# Altium PCB EDA-03518-V3-0_pcb.pcbdoc (part 13 of 14) (continued)
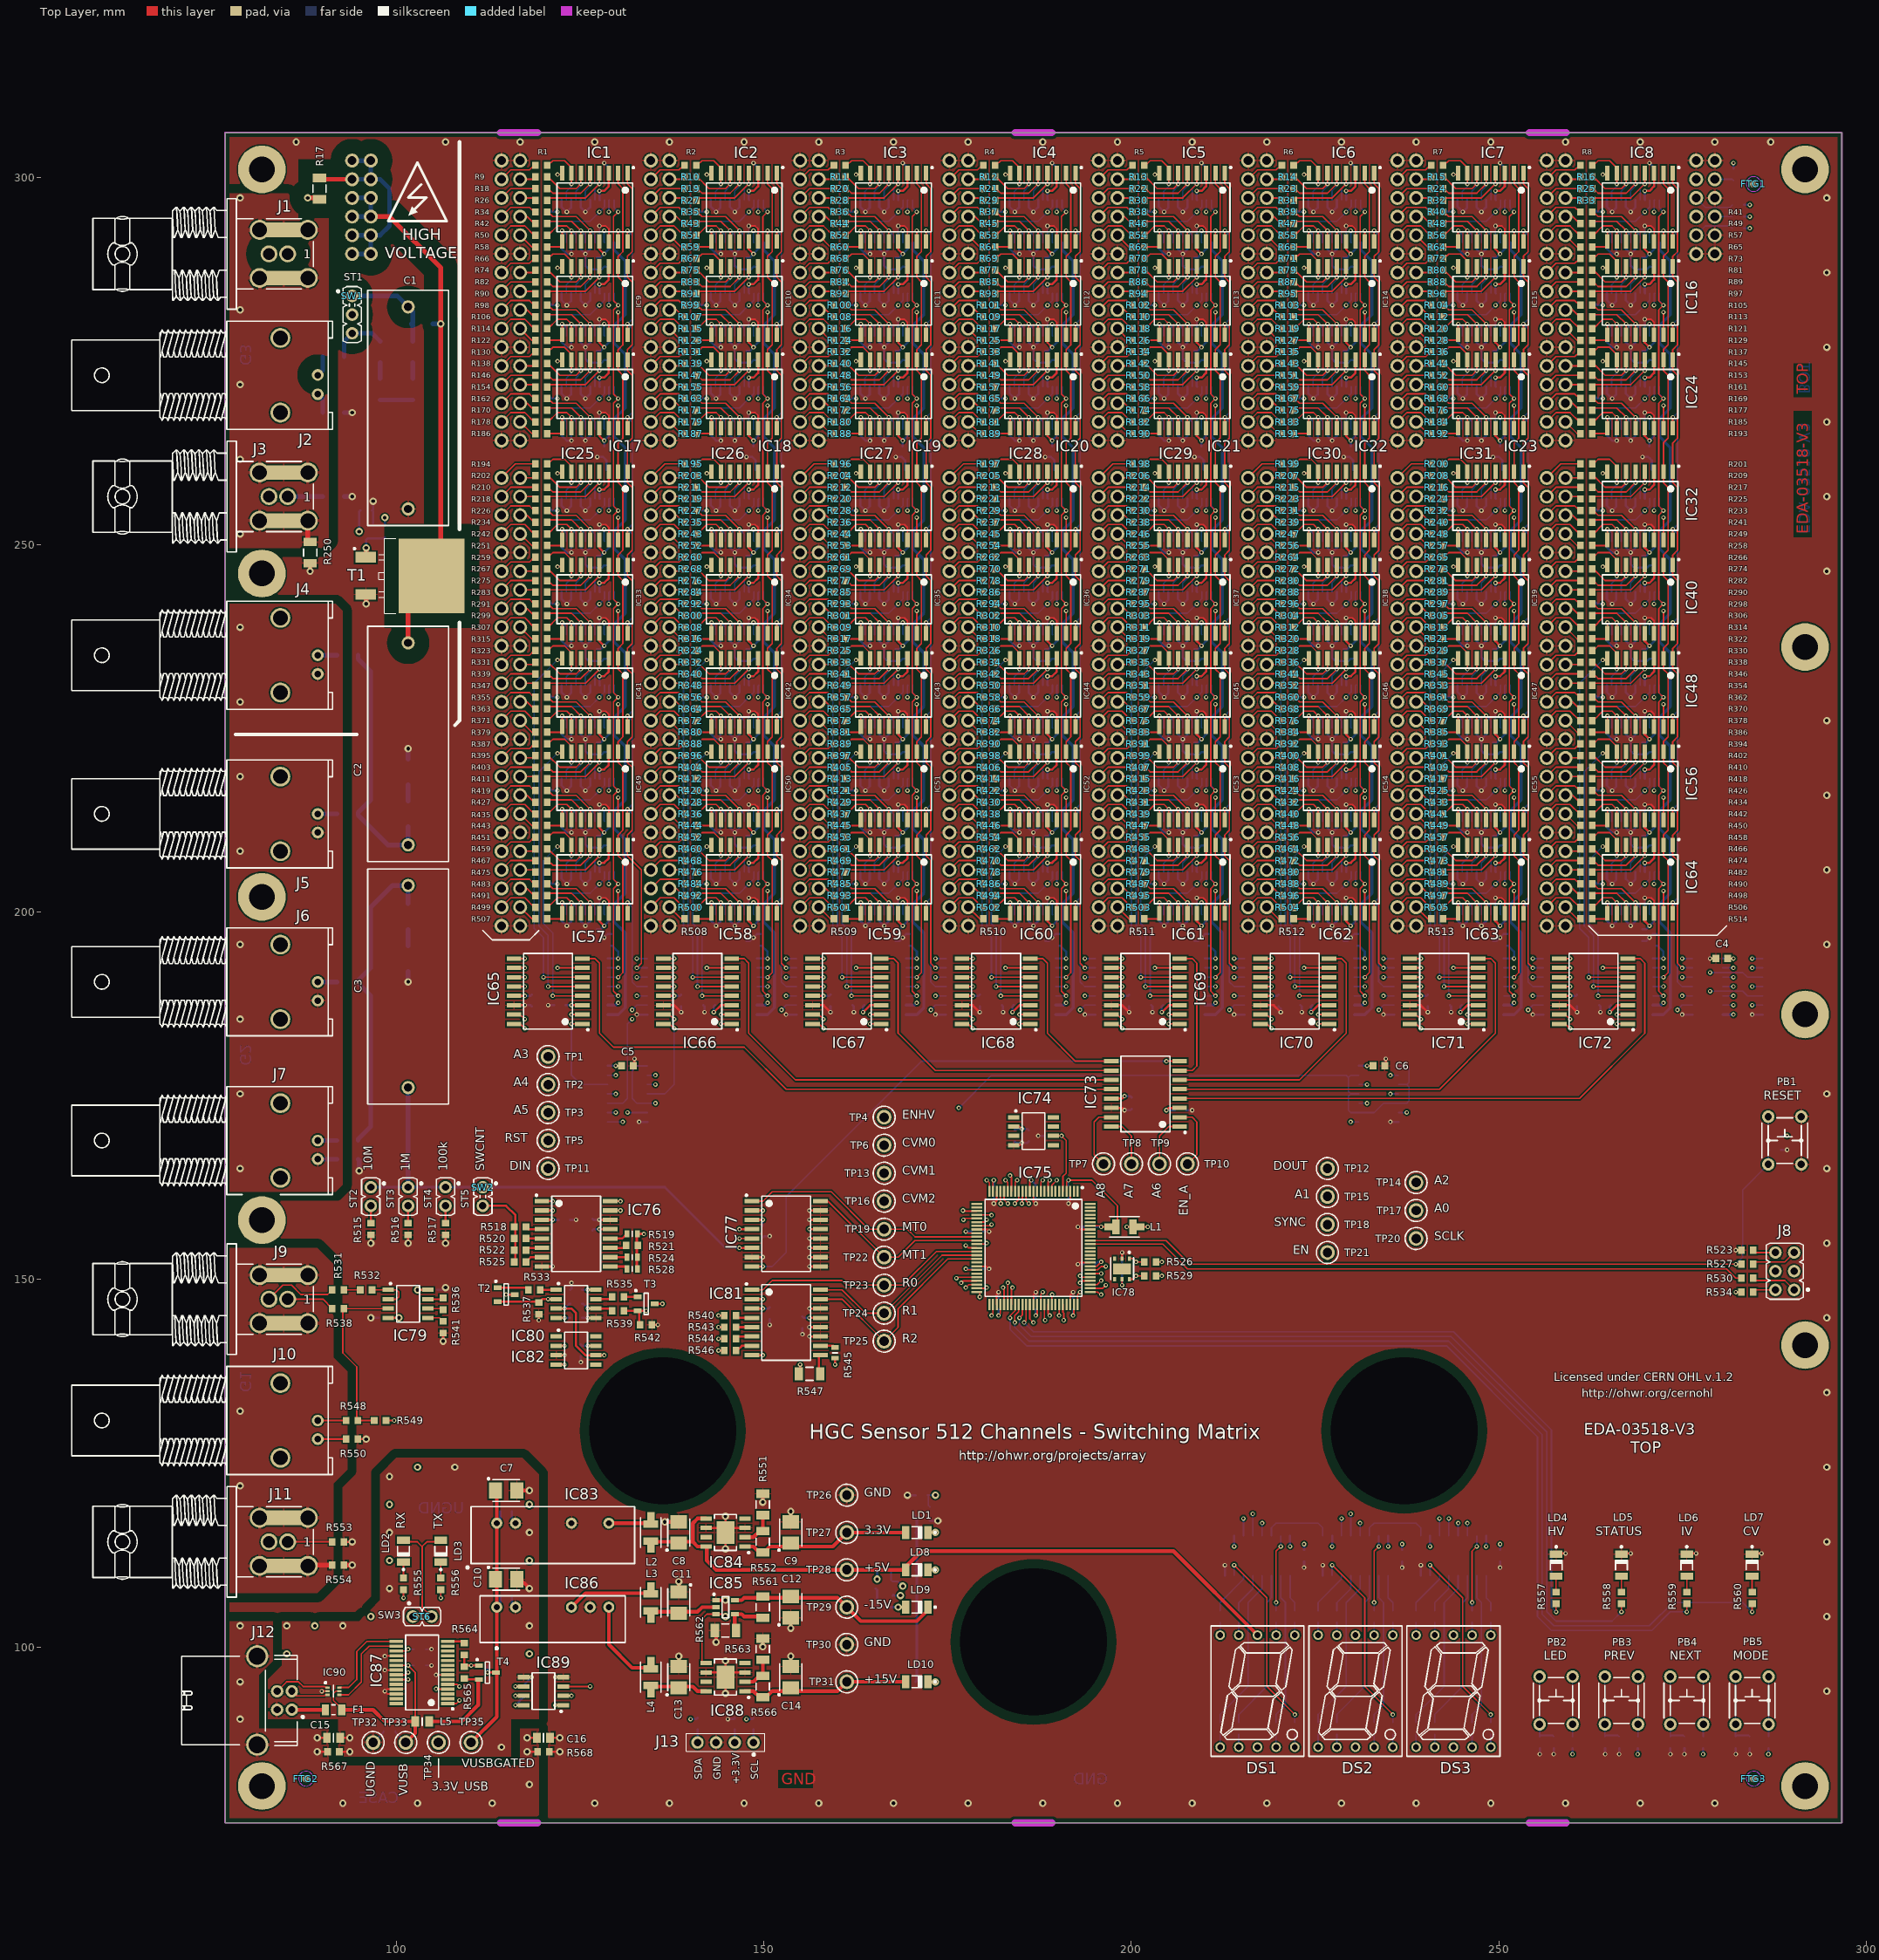
[diagram p0: Top Layer view]
## Nets (pads, with @x,y where several pads share a name; then routed paths per layer and width w, separated by ;. In a path a pad name is that pad's centre, name@x,y a point inside that pad or via, vN(x,y) a via of type N, cw(c..) or ccw(c..) an arc to the next point about the centre after c; other vN are vias at no path point) (continued)
SCLKB_1: IC98.1 IC106.1 IC114.1 IC122.1 IC130.1 IC138.1 IC146.1 IC154.1 IC163.8 | length 116.2
  Bottom Layer w0.406: IC163.8@128.745,186.055 130.175,186.055 131.127,187.007 131.127,197.167 129.622,198.673 IC154.1@129.622,199.665 129.622,201.06 131.127,202.565 131.127,209.867 129.622,211.373 IC146.1@129.622,212.365 129.622,213.76 131.127,215.265 131.127,222.567 129.622,224.073 IC138.1@129.622,225.065 129.622,226.46 131.127,227.965 131.127,235.267 129.622,236.773 IC130.1@129.622,237.765 129.622,239.16 131.127,240.665 131.127,247.968 129.622,249.473 IC122.1@129.622,250.465 129.622,251.86 131.127,253.365 131.127,263.207 129.622,264.713 IC114.1@129.622,265.705 129.622,267.1 131.127,268.605 131.127,275.907 129.622,277.413 IC106.1@129.622,278.405 129.622,279.8 131.127,281.305 131.127,288.608 129.622,290.113 IC98.1@129.622,291.105
SCLKB_2: IC97.1 IC105.1 IC113.1 IC121.1 IC129.1 IC137.1 IC145.1 IC153.1 IC162.8 | length 116.2
  Bottom Layer w0.406: IC162.8@149.065,186.055 150.495,186.055 151.447,187.007 151.447,197.167 149.942,198.673 IC153.1@149.942,199.665 149.942,201.06 151.447,202.565 151.447,209.867 149.942,211.373 IC145.1@149.942,212.365 149.942,213.76 151.447,215.265 151.447,222.567 149.942,224.073 IC137.1@149.942,225.065 149.942,226.46 151.447,227.965 151.447,235.267 149.942,236.773 IC129.1@149.942,237.765 149.942,239.16 151.447,240.665 151.447,247.968 149.942,249.473 IC121.1@149.942,250.465 149.942,251.86 151.447,253.365 151.447,263.207 149.942,264.713 IC113.1@149.942,265.705 149.942,267.1 151.447,268.605 151.447,275.907 149.942,277.413 IC105.1@149.942,278.405 149.942,279.8 151.447,281.305 151.447,288.608 149.942,290.113 IC97.1@149.942,291.105
SCLKB_3: IC96.1 IC104.1 IC112.1 IC120.1 IC128.1 IC136.1 IC144.1 IC152.1 IC161.8 | length 116.2
  Bottom Layer w0.406: IC161.8@169.385,186.055 170.815,186.055 171.767,187.007 171.767,197.167 170.262,198.673 IC152.1@170.262,199.665 170.262,201.06 171.767,202.565 171.767,209.867 170.262,211.373 IC144.1@170.262,212.365 170.262,213.76 171.767,215.265 171.767,222.567 170.262,224.073 IC136.1@170.262,225.065 170.262,226.46 171.767,227.965 171.767,235.267 170.262,236.773 IC128.1@170.262,237.765 170.262,239.16 171.767,240.665 171.767,247.968 170.262,249.473 IC120.1@170.262,250.465 170.262,251.86 171.767,253.365 171.767,263.207 170.262,264.713 IC112.1@170.262,265.705 170.262,267.1 171.767,268.605 171.767,275.907 170.262,277.413 IC104.1@170.262,278.405 170.262,279.8 171.767,281.305 171.767,288.608 170.262,290.113 IC96.1@170.262,291.105
SCLKB_4: IC95.1 IC103.1 IC111.1 IC119.1 IC127.1 IC135.1 IC143.1 IC151.1 IC160.8 | length 116.2
  Bottom Layer w0.406: IC160.8@189.705,186.055 191.135,186.055 192.088,187.007 192.088,197.167 190.582,198.673 IC151.1@190.582,199.665 190.582,201.06 192.088,202.565 192.088,209.867 190.582,211.373 IC143.1@190.582,212.365 190.582,213.76 192.088,215.265 192.088,222.567 190.582,224.073 IC135.1@190.582,225.065 190.582,226.46 192.088,227.965 192.088,235.267 190.582,236.773 IC127.1@190.582,237.765 190.582,239.16 192.088,240.665 192.088,247.968 190.582,249.473 IC119.1@190.582,250.465 190.582,251.86 192.088,253.365 192.088,263.207 190.582,264.713 IC111.1@190.582,265.705 190.582,267.1 192.088,268.605 192.088,275.907 190.582,277.413 IC103.1@190.582,278.405 190.582,279.8 192.088,281.305 192.088,288.608 190.582,290.113 IC95.1@190.582,291.105
SCLKB_5: IC94.1 IC102.1 IC110.1 IC118.1 IC126.1 IC134.1 IC142.1 IC150.1 IC159.8 | length 116.2
  Bottom Layer w0.406: IC159.8@210.025,186.055 211.455,186.055 212.407,187.007 212.407,197.167 210.902,198.673 IC150.1@210.902,199.665 210.902,201.06 212.407,202.565 212.407,209.867 210.902,211.373 IC142.1@210.902,212.365 210.902,213.76 212.407,215.265 212.407,222.567 210.902,224.073 IC134.1@210.902,225.065 210.902,226.46 212.407,227.965 212.407,235.267 210.902,236.773 IC126.1@210.902,237.765 210.902,239.16 212.407,240.665 212.407,247.968 210.902,249.473 IC118.1@210.902,250.465 210.902,251.86 212.407,253.365 212.407,263.207 210.902,264.713 IC110.1@210.902,265.705 210.902,267.1 212.407,268.605 212.407,275.907 210.902,277.413 IC102.1@210.902,278.405 210.902,279.8 212.407,281.305 212.407,288.608 210.902,290.113 IC94.1@210.902,291.105
SCLKB_6: IC93.1 IC101.1 IC109.1 IC117.1 IC125.1 IC133.1 IC141.1 IC149.1 IC158.8 | length 116.2
  Bottom Layer w0.406: IC158.8@230.345,186.055 231.775,186.055 232.727,187.007 232.727,197.167 231.222,198.673 IC149.1@231.222,199.665 231.222,201.06 232.727,202.565 232.727,209.867 231.222,211.373 IC141.1@231.222,212.365 231.222,213.76 232.727,215.265 232.727,222.567 231.222,224.073 IC133.1@231.222,225.065 231.222,226.46 232.727,227.965 232.727,235.267 231.222,236.773 IC125.1@231.222,237.765 231.222,239.16 232.727,240.665 232.727,247.968 231.222,249.473 IC117.1@231.222,250.465 231.222,251.86 232.727,253.365 232.727,263.207 231.222,264.713 IC109.1@231.222,265.705 231.222,267.1 232.727,268.605 232.727,275.907 231.222,277.413 IC101.1@231.222,278.405 231.222,279.8 232.727,281.305 232.727,288.608 231.222,290.113 IC93.1@231.222,291.105
SCLKB_7: IC92.1 IC100.1 IC108.1 IC116.1 IC124.1 IC132.1 IC140.1 IC148.1 IC157.8 | length 116.2
  Bottom Layer w0.406: IC157.8@250.665,186.055 252.095,186.055 253.047,187.007 253.047,197.167 251.542,198.673 IC148.1@251.542,199.665 251.542,201.06 253.047,202.565 253.047,209.867 251.542,211.373 IC140.1@251.542,212.365 251.542,213.76 253.047,215.265 253.047,222.567 251.542,224.073 IC132.1@251.542,225.065 251.542,226.46 253.047,227.965 253.047,235.267 251.542,236.773 IC124.1@251.542,237.765 251.542,239.16 253.047,240.665 253.047,247.968 251.542,249.473 IC116.1@251.542,250.465 251.542,251.86 253.047,253.365 253.047,263.207 251.542,264.713 IC108.1@251.542,265.705 251.542,267.1 253.047,268.605 253.047,275.907 251.542,277.413 IC100.1@251.542,278.405 251.542,279.8 253.047,281.305 253.047,288.608 251.542,290.113 IC92.1@251.542,291.105
SCLKB_8: IC91.1 IC99.1 IC107.1 IC115.1 IC123.1 IC131.1 IC139.1 IC147.1 IC156.8 | length 116.2
  Bottom Layer w0.406: IC156.8@270.985,186.055 272.415,186.055 273.368,187.007 273.368,197.167 271.862,198.673 IC147.1@271.862,199.665 271.862,201.06 273.368,202.565 273.368,209.867 271.862,211.373 IC139.1@271.862,212.365 271.862,213.76 273.368,215.265 273.368,222.567 271.862,224.073 IC131.1@271.862,225.065 271.862,226.46 273.368,227.965 273.368,235.267 271.862,236.773 IC123.1@271.862,237.765 271.862,239.16 273.368,240.665 273.368,247.968 271.862,249.473 IC115.1@271.862,250.465 271.862,251.86 273.368,253.365 273.368,263.207 271.862,264.713 IC107.1@271.862,265.705 271.862,267.1 273.368,268.605 273.368,275.907 271.862,277.413 IC99.1@271.862,278.405 271.862,279.8 273.368,281.305 273.368,288.608 271.862,290.113 IC91.1@271.862,291.105
SDA1: IC75.82 IC78.1 R526.1 | length 8.9
  Top Layer w0.203: IC75.82@194.39,151.305 195.438,151.305 195.897,151.765 v1(196.532,151.765) ; IC78.1@199.755,152.847 200.213,152.847 v1(200.66,152.4) R526.1@201.765,152.4
  L3 w0.203: v1(196.532,151.765) 200.025,151.765 v1(200.66,152.4)
SDA2: IC75.80 J13.4 R673.1 | length 102.6
  Top Layer w0.203: v1(193.04,150.495) 193.23,150.305 IC75.80@194.39,150.305
  L3 w0.203: J13.4@140.97,86.995 142.875,88.9 158.115,88.9 166.37,97.155 166.37,133.032 180.022,146.685 182.88,146.685 186.69,150.495 v1(193.04,150.495)
  Bottom Layer w0.305: J13.4@140.97,86.995 R673.1@140.97,88.735
SDA3: IC75.78 J14.9 R569.1 | length 238.2
  Top Layer w0.203: IC75.78@194.39,149.305 195.342,149.305 v1(195.897,149.86)
  L6 w0.203: v1(195.897,149.86) 196.532,150.495 199.707,150.495 200.343,149.86 262.255,149.86 281.305,168.91 281.305,179.705 285.75,184.15 285.75,196.85 276.86,205.74 276.86,286.067 274.955,287.972 274.955,297.18 276.225,298.45 278.13,298.45 J14.9@279.4,299.72
  Bottom Layer w0.203: J14.9@279.4,299.72 281.775,299.72 R569.1@281.94,299.555
SDA4: IC75.76 J14.5 R579.1 | length 233.1
  Top Layer w0.203: IC75.76@194.39,148.305 195.434,148.305 195.784,147.955 v1(195.897,147.955)
  L6 w0.203: v1(195.897,147.955) 263.207,147.955 283.21,167.957 283.21,178.752 287.655,183.197 287.655,197.802 278.765,206.692 278.765,286.385 280.67,288.29 280.67,293.37 J14.5@279.4,294.64
  Bottom Layer w0.203: J14.5@279.4,294.64 R579.1@281.775,294.64
SYNCB: IC155.10 IC156.11 IC157.11 IC158.11 IC159.11 IC160.11 IC161.11 IC162.11 IC163.11 | length 169.4
  L3 w0.203: v1(130.175,189.865) 130.81,190.5 149.86,190.5 v1(150.495,189.865) 151.13,190.5 170.18,190.5 v1(170.815,189.865) 171.45,190.5 190.5,190.5 v1(191.135,189.865) 191.77,190.5 210.82,190.5 v1(211.455,189.865) 212.09,190.5 231.14,190.5 v1(231.775,189.865) 232.41,190.5 251.46,190.5 v1(252.095,189.865) 252.73,190.5 271.78,190.5 v1(272.415,189.865) 273.05,190.5 280.035,190.5 v1(281.94,188.595)
  Bottom Layer w0.203: IC163.11@128.745,189.865 v1(130.175,189.865) ; IC162.11@149.065,189.865 v1(150.495,189.865) ; IC161.11@169.385,189.865 v1(170.815,189.865) ; IC160.11@189.705,189.865 v1(191.135,189.865) ; IC159.11@210.025,189.865 v1(211.455,189.865) ; IC158.11@230.345,189.865 v1(231.775,189.865) ; IC157.11@250.665,189.865 v1(252.095,189.865) ; IC156.11@270.985,189.865 v1(272.415,189.865) ; IC155.10@280.51,188.595 v1(281.94,188.595)
SYNCB_1: IC98.24 IC106.24 IC114.24 IC122.24 IC130.24 IC138.24 IC146.24 IC154.24 IC163.10 | length 127.2
  Top Layer w0.203: v1(130.175,188.595) 129.54,189.23 129.54,203.2 v1(130.175,203.835) 129.54,204.47 129.54,215.9 v1(130.175,216.535) 129.54,217.17 129.54,228.6 v1(130.175,229.235) 129.54,229.87 129.54,241.3 v1(130.175,241.935) 129.54,242.57 129.54,254 v1(130.175,254.635) 129.54,255.27 129.54,269.24 v1(130.175,269.875) 129.54,270.51 129.54,281.94 v1(130.175,282.575) 129.54,283.21 129.54,294.64 v1(130.175,295.275)
  Bottom Layer w0.203: IC163.10@128.745,188.595 v1(130.175,188.595) ; IC154.24@129.622,205.465 129.622,204.388 v1(130.175,203.835) ; IC146.24@129.622,218.165 129.622,217.088 v1(130.175,216.535) ; IC138.24@129.622,230.865 129.622,229.788 v1(130.175,229.235) ; IC130.24@129.622,243.565 129.622,242.488 v1(130.175,241.935) ; IC122.24@129.622,256.265 129.622,255.188 v1(130.175,254.635) ; IC114.24@129.622,271.505 129.622,270.428 v1(130.175,269.875) ; IC106.24@129.622,284.205 129.622,283.128 v1(130.175,282.575) ; IC98.24@129.622,296.905 129.622,295.828 v1(130.175,295.275)
SYNCB_2: IC97.24 IC105.24 IC113.24 IC121.24 IC129.24 IC137.24 IC145.24 IC153.24 IC162.10 | length 127.2
  Top Layer w0.203: v1(150.495,188.595) 149.86,189.23 149.86,203.2 v1(150.495,203.835) 149.86,204.47 149.86,215.9 v1(150.495,216.535) 149.86,217.17 149.86,228.6 v1(150.495,229.235) 149.86,229.87 149.86,241.3 v1(150.495,241.935) 149.86,242.57 149.86,254 v1(150.495,254.635) 149.86,255.27 149.86,269.24 v1(150.495,269.875) 149.86,270.51 149.86,281.94 v1(150.495,282.575) 149.86,283.21 149.86,294.64 v1(150.495,295.275)
  Bottom Layer w0.203: IC162.10@149.065,188.595 v1(150.495,188.595) ; IC153.24@149.942,205.465 149.942,204.388 v1(150.495,203.835) ; IC145.24@149.942,218.165 149.942,217.088 v1(150.495,216.535) ; IC137.24@149.942,230.865 149.942,229.788 v1(150.495,229.235) ; IC129.24@149.942,243.565 149.942,242.488 v1(150.495,241.935) ; IC121.24@149.942,256.265 149.942,255.188 v1(150.495,254.635) ; IC113.24@149.942,271.505 149.942,270.428 v1(150.495,269.875) ; IC105.24@149.942,284.205 149.942,283.128 v1(150.495,282.575) ; IC97.24@149.942,296.905 149.942,295.828 v1(150.495,295.275)
SYNCB_3: IC96.24 IC104.24 IC112.24 IC120.24 IC128.24 IC136.24 IC144.24 IC152.24 IC161.10 | length 127.2
  Top Layer w0.203: v1(170.815,188.595) 170.18,189.23 170.18,203.2 v1(170.815,203.835) 170.18,204.47 170.18,215.9 v1(170.815,216.535) 170.18,217.17 170.18,228.6 v1(170.815,229.235) 170.18,229.87 170.18,241.3 v1(170.815,241.935) 170.18,242.57 170.18,254 v1(170.815,254.635) 170.18,255.27 170.18,269.24 v1(170.815,269.875) 170.18,270.51 170.18,281.94 v1(170.815,282.575) 170.18,283.21 170.18,294.64 v1(170.815,295.275)
  Bottom Layer w0.203: IC161.10@169.385,188.595 v1(170.815,188.595) ; IC152.24@170.262,205.465 170.262,204.388 v1(170.815,203.835) ; IC144.24@170.262,218.165 170.262,217.088 v1(170.815,216.535) ; IC136.24@170.262,230.865 170.262,229.788 v1(170.815,229.235) ; IC128.24@170.262,243.565 170.262,242.488 v1(170.815,241.935) ; IC120.24@170.262,256.265 170.262,255.188 v1(170.815,254.635) ; IC112.24@170.262,271.505 170.262,270.428 v1(170.815,269.875) ; IC104.24@170.262,284.205 170.262,283.128 v1(170.815,282.575) ; IC96.24@170.262,296.905 170.262,295.828 v1(170.815,295.275)
SYNCB_4: IC95.24 IC103.24 IC111.24 IC119.24 IC127.24 IC135.24 IC143.24 IC151.24 IC160.10 | length 127.2
  Top Layer w0.203: v1(191.135,188.595) 190.5,189.23 190.5,203.2 v1(191.135,203.835) 190.5,204.47 190.5,215.9 v1(191.135,216.535) 190.5,217.17 190.5,228.6 v1(191.135,229.235) 190.5,229.87 190.5,241.3 v1(191.135,241.935) 190.5,242.57 190.5,254 v1(191.135,254.635) 190.5,255.27 190.5,269.24 v1(191.135,269.875) 190.5,270.51 190.5,281.94 v1(191.135,282.575) 190.5,283.21 190.5,294.64 v1(191.135,295.275)
  Bottom Layer w0.203: IC160.10@189.705,188.595 v1(191.135,188.595) ; IC151.24@190.582,205.465 190.582,204.388 v1(191.135,203.835) ; IC143.24@190.582,218.165 190.582,217.088 v1(191.135,216.535) ; IC135.24@190.582,230.865 190.582,229.788 v1(191.135,229.235) ; IC127.24@190.582,243.565 190.582,242.488 v1(191.135,241.935) ; IC119.24@190.582,256.265 190.582,255.188 v1(191.135,254.635) ; IC111.24@190.582,271.505 190.582,270.428 v1(191.135,269.875) ; IC103.24@190.582,284.205 190.582,283.128 v1(191.135,282.575) ; IC95.24@190.582,296.905 190.582,295.828 v1(191.135,295.275)
SYNCB_5: IC94.24 IC102.24 IC110.24 IC118.24 IC126.24 IC134.24 IC142.24 IC150.24 IC159.10 | length 127.2
  Top Layer w0.203: v1(211.455,188.595) 210.82,189.23 210.82,203.2 v1(211.455,203.835) 210.82,204.47 210.82,215.9 v1(211.455,216.535) 210.82,217.17 210.82,228.6 v1(211.455,229.235) 210.82,229.87 210.82,241.3 v1(211.455,241.935) 210.82,242.57 210.82,254 v1(211.455,254.635) 210.82,255.27 210.82,269.24 v1(211.455,269.875) 210.82,270.51 210.82,281.94 v1(211.455,282.575) 210.82,283.21 210.82,294.64 v1(211.455,295.275)
  Bottom Layer w0.203: IC159.10@210.025,188.595 v1(211.455,188.595) ; IC150.24@210.902,205.465 210.902,204.388 v1(211.455,203.835) ; IC142.24@210.902,218.165 210.902,217.088 v1(211.455,216.535) ; IC134.24@210.902,230.865 210.902,229.788 v1(211.455,229.235) ; IC126.24@210.902,243.565 210.902,242.488 v1(211.455,241.935) ; IC118.24@210.902,256.265 210.902,255.188 v1(211.455,254.635) ; IC110.24@210.902,271.505 210.902,270.428 v1(211.455,269.875) ; IC102.24@210.902,284.205 210.902,283.128 v1(211.455,282.575) ; IC94.24@210.902,296.905 210.902,295.828 v1(211.455,295.275)
SYNCB_6: IC93.24 IC101.24 IC109.24 IC117.24 IC125.24 IC133.24 IC141.24 IC149.24 IC158.10 | length 127.2
  Top Layer w0.203: v1(231.775,188.595) 231.14,189.23 231.14,203.2 v1(231.775,203.835) 231.14,204.47 231.14,215.9 v1(231.775,216.535) 231.14,217.17 231.14,228.6 v1(231.775,229.235) 231.14,229.87 231.14,241.3 v1(231.775,241.935) 231.14,242.57 231.14,254 v1(231.775,254.635) 231.14,255.27 231.14,269.24 v1(231.775,269.875) 231.14,270.51 231.14,281.94 v1(231.775,282.575) 231.14,283.21 231.14,294.64 v1(231.775,295.275)
  Bottom Layer w0.203: IC158.10@230.345,188.595 v1(231.775,188.595) ; IC149.24@231.222,205.465 231.222,204.388 v1(231.775,203.835) ; IC141.24@231.222,218.165 231.222,217.088 v1(231.775,216.535) ; IC133.24@231.222,230.865 231.222,229.788 v1(231.775,229.235) ; IC125.24@231.222,243.565 231.222,242.488 v1(231.775,241.935) ; IC117.24@231.222,256.265 231.222,255.188 v1(231.775,254.635) ; IC109.24@231.222,271.505 231.222,270.428 v1(231.775,269.875) ; IC101.24@231.222,284.205 231.222,283.128 v1(231.775,282.575) ; IC93.24@231.222,296.905 231.222,295.828 v1(231.775,295.275)
SYNCB_7: IC92.24 IC100.24 IC108.24 IC116.24 IC124.24 IC132.24 IC140.24 IC148.24 IC157.10 | length 127.2
  Top Layer w0.203: v1(252.095,188.595) 251.46,189.23 251.46,203.2 v1(252.095,203.835) 251.46,204.47 251.46,215.9 v1(252.095,216.535) 251.46,217.17 251.46,228.6 v1(252.095,229.235) 251.46,229.87 251.46,241.3 v1(252.095,241.935) 251.46,242.57 251.46,254 v1(252.095,254.635) 251.46,255.27 251.46,269.24 v1(252.095,269.875) 251.46,270.51 251.46,281.94 v1(252.095,282.575) 251.46,283.21 251.46,294.64 v1(252.095,295.275)
  Bottom Layer w0.203: IC157.10@250.665,188.595 v1(252.095,188.595) ; IC148.24@251.542,205.465 251.542,204.388 v1(252.095,203.835) ; IC140.24@251.542,218.165 251.542,217.088 v1(252.095,216.535) ; IC132.24@251.542,230.865 251.542,229.788 v1(252.095,229.235) ; IC124.24@251.542,243.565 251.542,242.488 v1(252.095,241.935) ; IC116.24@251.542,256.265 251.542,255.188 v1(252.095,254.635) ; IC108.24@251.542,271.505 251.542,270.428 v1(252.095,269.875) ; IC100.24@251.542,284.205 251.542,283.128 v1(252.095,282.575) ; IC92.24@251.542,296.905 251.542,295.828 v1(252.095,295.275)
SYNCB_8: IC91.24 IC99.24 IC107.24 IC115.24 IC123.24 IC131.24 IC139.24 IC147.24 IC156.10 | length 127.2
  Top Layer w0.203: v1(272.415,188.595) 271.78,189.23 271.78,203.2 v1(272.415,203.835) 271.78,204.47 271.78,215.9 v1(272.415,216.535) 271.78,217.17 271.78,228.6 v1(272.415,229.235) 271.78,229.87 271.78,241.3 v1(272.415,241.935) 271.78,242.57 271.78,254 v1(272.415,254.635) 271.78,255.27 271.78,269.24 v1(272.415,269.875) 271.78,270.51 271.78,281.94 v1(272.415,282.575) 271.78,283.21 271.78,294.64 v1(272.415,295.275)
  Bottom Layer w0.203: IC156.10@270.985,188.595 v1(272.415,188.595) ; IC147.24@271.862,205.465 271.862,204.388 v1(272.415,203.835) ; IC139.24@271.862,218.165 271.862,217.088 v1(272.415,216.535) ; IC131.24@271.862,230.865 271.862,229.788 v1(272.415,229.235) ; IC123.24@271.862,243.565 271.862,242.488 v1(272.415,241.935) ; IC115.24@271.862,256.265 271.862,255.188 v1(272.415,254.635) ; IC107.24@271.862,271.505 271.862,270.428 v1(272.415,269.875) ; IC99.24@271.862,284.205 271.862,283.128 v1(272.415,282.575) ; IC91.24@271.862,296.905 271.862,295.828 v1(272.415,295.275)
T\X\L\: IC87.23 R556.2 | length 16.4
  Top Layer w0.203: IC87.23@100.005,95.545 101.578,95.545 v1(101.6,95.567) ; v1(106.045,106.68) R556.2@106.045,107.785
  L3 w0.203: v1(101.6,95.567) 103.505,97.472 103.505,105.41 104.775,106.68 v1(106.045,106.68)
UGND: C7.2 C10.2 C15.1 C198.1 C202.1 C203.1 C205.1 C207.1 C209.1 IC83.2 IC86.2 IC87.7 IC87.18 IC87.21 IC87.25 IC87.26 IC89.5 IC90.2 J12.4 R567.1 TP32.1 | length 25.7
  Top Layer w0.203: v1(89.852,93.98) IC90.2@90.65,93.98 ; v1(98.425,96.837) 98.433,96.845 IC87.21@100.005,96.845 ; v1(98.425,98.742) 98.477,98.795 IC87.18@100.005,98.795 ; IC87.26@100.005,93.595 98.81,93.595 v1(98.425,93.98) 98.69,94.245 IC87.25@100.005,94.245 ; v1(105.41,96.203) 105.418,96.195 IC87.7@107.005,96.195
  Top Layer w0.305: R567.1@92.24,85.725 v2(93.662,85.725) ; C15.1@92.34,87.63 v2(93.662,87.63) ; IC89.5@117.315,95.885 v1(118.427,95.885)
  Top Layer w0.508: C10.2@116.385,109.22 116.84,109.22 v2(118.11,107.95) ; C7.2@116.385,121.285 v2(118.11,121.285)
  Bottom Layer w0.203: TP32.1@96.837,86.995 98.26,88.417 C209.1@98.26,88.582 ; C205.1@103.988,97.472 v1(104.775,97.472) ; C203.1@103.988,99.695 v1(104.775,99.695)
  Bottom Layer w0.305: C202.1@115.735,106.998 115.735,105.88 IC86.2@116.205,105.41 ; C198.1@115.735,118.427 115.735,117.31 IC83.2@116.205,116.84 ; C207.1@117.475,94.78 117.475,94.932 v1(118.427,95.885)
  other v2: 114.3,86.36 85.09,102.87 92.71,102.87 118.11,102.87 99.06,107.95 99.06,115.57 118.11,115.57 99.06,123.19 107.95,124.46
VNEG: IC75.70 R657.1 T7.1 | length 53.1
  Top Layer w0.203: v1(190.183,145.097) 190.183,146.597 IC75.70@190.19,146.605
  L3 w0.203: v2(168.91,108.267) 171.45,110.807 171.45,130.81 183.515,142.875 187.96,142.875 v1(190.183,145.097)
  Bottom Layer w0.203: R657.1@167.17,110.49 167.322,110.338 167.322,109.098 T7.1@167.52,108.9 168.277,108.9 v2(168.91,108.267)
VPOS: IC75.71 R654.2 T6.1 | length 38.9
  Top Layer w0.203: IC75.71@190.69,146.605 190.69,145.543 190.817,145.415 v1(190.817,144.463)
  L3 w0.203: v2(173.355,120.65) 173.355,131.762 183.832,142.24 188.595,142.24 v1(190.817,144.463)
  Bottom Layer w0.203: T6.1@172.6,119.06 172.403,119.258 172.403,120.498 R654.2@172.25,120.65 v2(173.355,120.65)
VUSB: C205.2 C209.2 F1.2 IC87.20 IC90.5 L5.1 TP33.1 | length 30.2
  Top Layer w0.203: IC90.5@92.23,93.98 91.757,93.98 91.44,93.662 91.44,92.71 92.54,91.61 F1.2@92.54,91.44 ; IC87.20@100.005,97.495 101.578,97.495 v1(101.6,97.472) 102.555,96.518 L5.1@102.555,89.852
  Top Layer w0.508: F1.2@92.54,91.44 96.837,91.44 98.425,89.852 L5.1@102.555,89.852 102.552,89.85 102.552,88.265 TP33.1@101.282,86.995
  Bottom Layer w0.203: C209.2@99.86,88.582 99.86,88.417 TP33.1@101.282,86.995 ; v1(101.6,97.472) C205.2@102.387,97.472
VUSBGATED: C7.1 C10.1 C198.2 C202.2 C204.2 IC83.1 IC86.1 T4.3 TP35.1 | length 41.8
  Top Layer w0.305: v1(112.395,96.52) T4.3@113.545,96.52 T4.3@113.665,96.64
  Top Layer w0.508: TP35.1@110.172,86.995 113.665,90.487 113.665,96.4 T4.3@113.545,96.52 ; C7.1@113.485,121.285 113.665,121.105 IC83.1@113.665,116.84 113.665,109.4 C10.1@113.485,109.22 113.665,109.04 IC86.1@113.665,105.41 T4.3@113.665,96.64
  Bottom Layer w0.305: v1(112.395,96.52) 112.395,97.307 C204.2@112.56,97.472 ; IC86.1@113.665,105.41 114.135,105.88 C202.2@114.135,106.998 ; IC83.1@113.665,116.84 114.135,117.31 C198.2@114.135,118.427
pads on no net: FTG1.FTG2 FTG2.FTG2 FTG3.FTG2 FTG4.FTG2 FTG5.FTG2 FTG6.FTG2 IC74.1 IC74.3 IC74.5 IC74.7 IC74.8 IC75.1 IC75.2 IC75.6 IC75.7 IC75.10 IC75.12 IC75.26 IC75.27 IC75.42 IC75.45 IC75.51 IC75.69 IC75.72 IC75.85 IC75.86 IC75.87 IC75.88 IC75.91 IC75.92 IC75.95 IC75.96 IC75.97 IC75.98 IC75.99 IC75.100 IC78.3 IC78.4 IC78.7 IC82.1 IC82.5 IC82.8 IC84.4 IC84.7 IC87.2 IC87.3 IC87.6 IC87.8 IC87.9 IC87.10 IC87.11 IC87.12 IC87.13 IC87.19 IC87.24 IC87.27 IC87.28 IC88.4 IC88.7 IC168.9 J2.3 J3.2 J4.3 J5.3 J6.3 J7.3 J8.3 J8.4 J10.3 J11.2

## Polygon pours and split planes (outlines as drawn)
G2 on Top Layer "G2_L01_P019" (solid, remove dead copper, pour order 19): 77.325,161.925 91.757,161.925 92.71,162.877 92.71,240.982 91.757,241.935 77.325,241.935
GND on Top Layer "GND_L01_P028" (solid, remove dead copper, pour order 28): 77.325,76.705 77.325,305.435 296.055,305.435 296.055,76.705
CASE on Top Layer "CASE_L01_P026" (solid, remove dead copper, pour order 26): 83.185,103.505 77.325,103.505 77.325,76.705 119.38,76.705 119.38,88.9 116.84,88.9 116.84,83.82 90.805,83.82 90.805,88.9 81.28,88.9 81.28,96.203 83.185,98.108
UGND on Top Layer "UGND_L01_P024" (solid, remove dead copper, pour order 24): 82.55,90.17 82.55,95.567 84.455,97.472 84.455,103.505 94.933,103.505 97.79,106.362 97.79,123.507 100.012,125.73 117.157,125.73 119.38,123.508 119.38,90.17 115.57,90.17 115.57,85.09 92.075,85.09 92.075,90.17
G1 on Top Layer "G1_L01_P022" (solid, remove dead copper, pour order 22): 77.325,154.305 89.217,154.305 91.44,152.082 91.44,139.382 93.345,137.477 93.345,124.142 91.44,122.238 91.44,109.537 89.218,107.315 77.325,107.315
G3 on Top Layer "G3_L01_P018" (solid, remove dead copper, pour order 18): 77.325,249.555 89.852,249.555 90.805,250.507 90.805,297.815 77.325,297.815
G3 on L3 "G3_L03_P029" (solid, remove dead copper, pour order 29): 77.325,249.555 89.852,249.555 90.805,250.507 90.805,297.815 77.325,297.815
G1 on L3 "G1_L03_P031" (solid, remove dead copper, pour order 31): 77.325,154.305 89.217,154.305 91.44,152.082 91.44,139.382 93.345,137.477 93.345,124.142 91.44,122.238 91.44,109.537 89.218,107.315 77.325,107.315
UGND on L3 "UGND_L03_P032" (solid, remove dead copper, pour order 32): 82.55,90.17 82.55,95.567 84.455,97.472 84.455,103.505 94.933,103.505 97.79,106.362 97.79,123.507 100.012,125.73 117.157,125.73 119.38,123.508 119.38,90.17 115.57,90.17 115.57,85.09 92.075,85.09 92.075,90.17
CASE on L3 "CASE_L03_P033" (solid, remove dead copper, pour order 33): 83.185,103.505 77.325,103.505 77.325,76.705 119.38,76.705 119.38,88.9 116.84,88.9 116.84,83.82 90.805,83.82 90.805,88.9 81.28,88.9 81.28,96.203 83.185,98.108
G2 on L3 "G2_L03_P030" (solid, remove dead copper, pour order 30): 77.325,161.925 91.757,161.925 92.71,162.877 92.71,240.982 91.757,241.935 77.325,241.935
GND on L3 "GND_L03_P034" (solid, remove dead copper, pour order 34): 77.325,76.705 77.325,305.435 296.055,305.435 296.055,76.705
G3 on L6 "G3_L06_P035" (solid, remove dead copper, pour order 35): 77.325,249.555 89.852,249.555 90.805,250.507 90.805,297.815 77.325,297.815
G1 on L6 "G1_L06_P037" (solid, remove dead copper, pour order 37): 77.325,154.305 89.217,154.305 91.44,152.082 91.44,139.382 93.345,137.477 93.345,124.142 91.44,122.238 91.44,109.537 89.218,107.315 77.325,107.315
UGND on L6 "UGND_L06_P038" (solid, remove dead copper, pour order 38): 82.55,90.17 82.55,95.567 84.455,97.472 84.455,103.505 94.933,103.505 97.79,106.362 97.79,123.507 100.012,125.73 117.157,125.73 119.38,123.508 119.38,90.17 115.57,90.17 115.57,85.09 92.075,85.09 92.075,90.17
CASE on L6 "CASE_L06_P039" (solid, remove dead copper, pour order 39): 83.185,103.505 77.325,103.505 77.325,76.705 119.38,76.705 119.38,88.9 116.84,88.9 116.84,83.82 90.805,83.82 90.805,88.9 81.28,88.9 81.28,96.203 83.185,98.108
GND on L6 "GND_L06_P040" (solid, remove dead copper, pour order 40): 77.325,76.705 77.325,305.435 296.055,305.435 296.055,76.705
G2 on L6 "G2_L06_P036" (solid, remove dead copper, pour order 36): 77.325,161.925 91.757,161.925 92.71,162.877 92.71,240.982 91.757,241.935 77.325,241.935
G3 on Bottom Layer "G3_L08_P041" (solid, remove dead copper, pour order 41): 77.325,249.555 89.852,249.555 90.805,250.507 90.805,297.815 77.325,297.815
G1 on Bottom Layer "G1_L08_P043" (solid, remove dead copper, pour order 43): 77.325,154.305 89.217,154.305 91.44,152.082 91.44,139.382 93.345,137.477 93.345,124.142 91.44,122.238 91.44,109.537 89.218,107.315 77.325,107.315
UGND on Bottom Layer "UGND_L08_P044" (solid, remove dead copper, pour order 44): 82.55,90.17 82.55,95.567 84.455,97.472 84.455,103.505 94.933,103.505 97.79,106.362 97.79,123.507 100.012,125.73 117.157,125.73 119.38,123.508 119.38,90.17 115.57,90.17 115.57,85.09 92.075,85.09 92.075,90.17
CASE on Bottom Layer "CASE_L08_P045" (solid, remove dead copper, pour order 45): 83.185,103.505 77.325,103.505 77.325,76.705 119.38,76.705 119.38,88.9 116.84,88.9 116.84,83.82 90.805,83.82 90.805,88.9 81.28,88.9 81.28,96.203 83.185,98.108
GND on Bottom Layer "GND_L08_P046" (solid, remove dead copper, pour order 46): 77.325,76.705 77.325,305.435 296.055,305.435 296.055,76.705
G2 on Bottom Layer "G2_L08_P042" (solid, remove dead copper, pour order 42): 77.325,161.925 91.757,161.925 92.71,162.877 92.71,240.982 91.757,241.935 77.325,241.935
+5V on L2P (split plane): 296.053,76.707 259.828,76.707 259.828,76.708 259.739,76.786 259.641,76.851 259.535,76.903 259.423,76.941 259.308,76.964 259.19,76.972 254.19,76.972 254.072,76.964 253.957,76.941 253.845,76.903 253.739,76.851 253.641,76.786 253.552,76.708 253.552,76.707 206.377,76.707 206.377,117.846 211.084,122.553 296.053,122.553
3.3V_USB on L2P (split plane): 119.378,123.561 119.378,90.172 116.205,90.172 116.105,90.164 116.008,90.141 115.916,90.103 115.831,90.05 115.755,89.985 115.69,89.909 115.637,89.824 115.599,89.732 115.576,89.635 115.568,89.535 115.568,85.092 92.077,85.092 92.077,89.535 92.069,89.635 92.046,89.732 92.008,89.824 91.955,89.909 91.89,89.985 91.814,90.05 91.729,90.103 91.637,90.141 91.54,90.164 91.44,90.172 82.552,90.172 82.552,95.621 84.27,97.34 84.335,97.416 84.388,97.501 84.426,97.593 84.449,97.69 84.457,97.79 84.457,103.503 94.615,103.503 94.715,103.511 94.812,103.534 94.904,103.572 94.989,103.625 95.065,103.69 97.605,106.23 97.67,106.306 97.691,106.339 97.723,106.391 97.738,106.429 97.761,106.483 97.779,106.557 97.784,106.58 97.792,106.68 97.792,123.561 99.959,125.728 117.211,125.728
+15V on L2P (split plane): 216 vertices, not listed, extent 77.327,76.707 296.053,305.433
CASE on L2P (split plane): 83.183,98.054 81.465,96.335 81.4,96.259 81.347,96.174 81.309,96.082 81.286,95.985 81.278,95.885 81.278,89.535 81.286,89.435 81.309,89.338 81.347,89.246 81.4,89.161 81.465,89.085 81.541,89.02 81.626,88.967 81.718,88.929 81.815,88.906 81.915,88.898 90.803,88.898 90.803,84.455 90.811,84.355 90.834,84.258 90.872,84.166 90.925,84.081 90.99,84.005 91.066,83.94 91.151,83.887 91.243,83.849 91.34,83.826 91.44,83.818 116.205,83.818 116.305,83.826 116.402,83.849 116.494,83.887 116.579,83.94 116.655,84.005 116.72,84.081 116.773,84.166 116.811,84.258 116.834,84.355 116.842,84.455 116.842,88.898 119.378,88.898 119.378,76.95 119.308,76.964 119.19,76.972 114.19,76.972 114.072,76.964 113.957,76.941 113.845,76.903 113.739,76.851 113.641,76.786 113.552,76.708 113.552,76.707 77.327,76.707 77.327,103.503 83.183,103.503
G2 on L2P (split plane): 92.708,241.036 92.708,162.824 91.811,161.927 77.327,161.927 77.327,241.933 91.811,241.933
G3 on L2P (split plane): 90.803,284.48 90.803,277.495 90.803,250.454 89.906,249.557 77.327,249.557 77.327,297.813 90.803,297.813